# Altium PCB GN-1846-E-V2.PcbDoc (part 2 of 8) (continued)
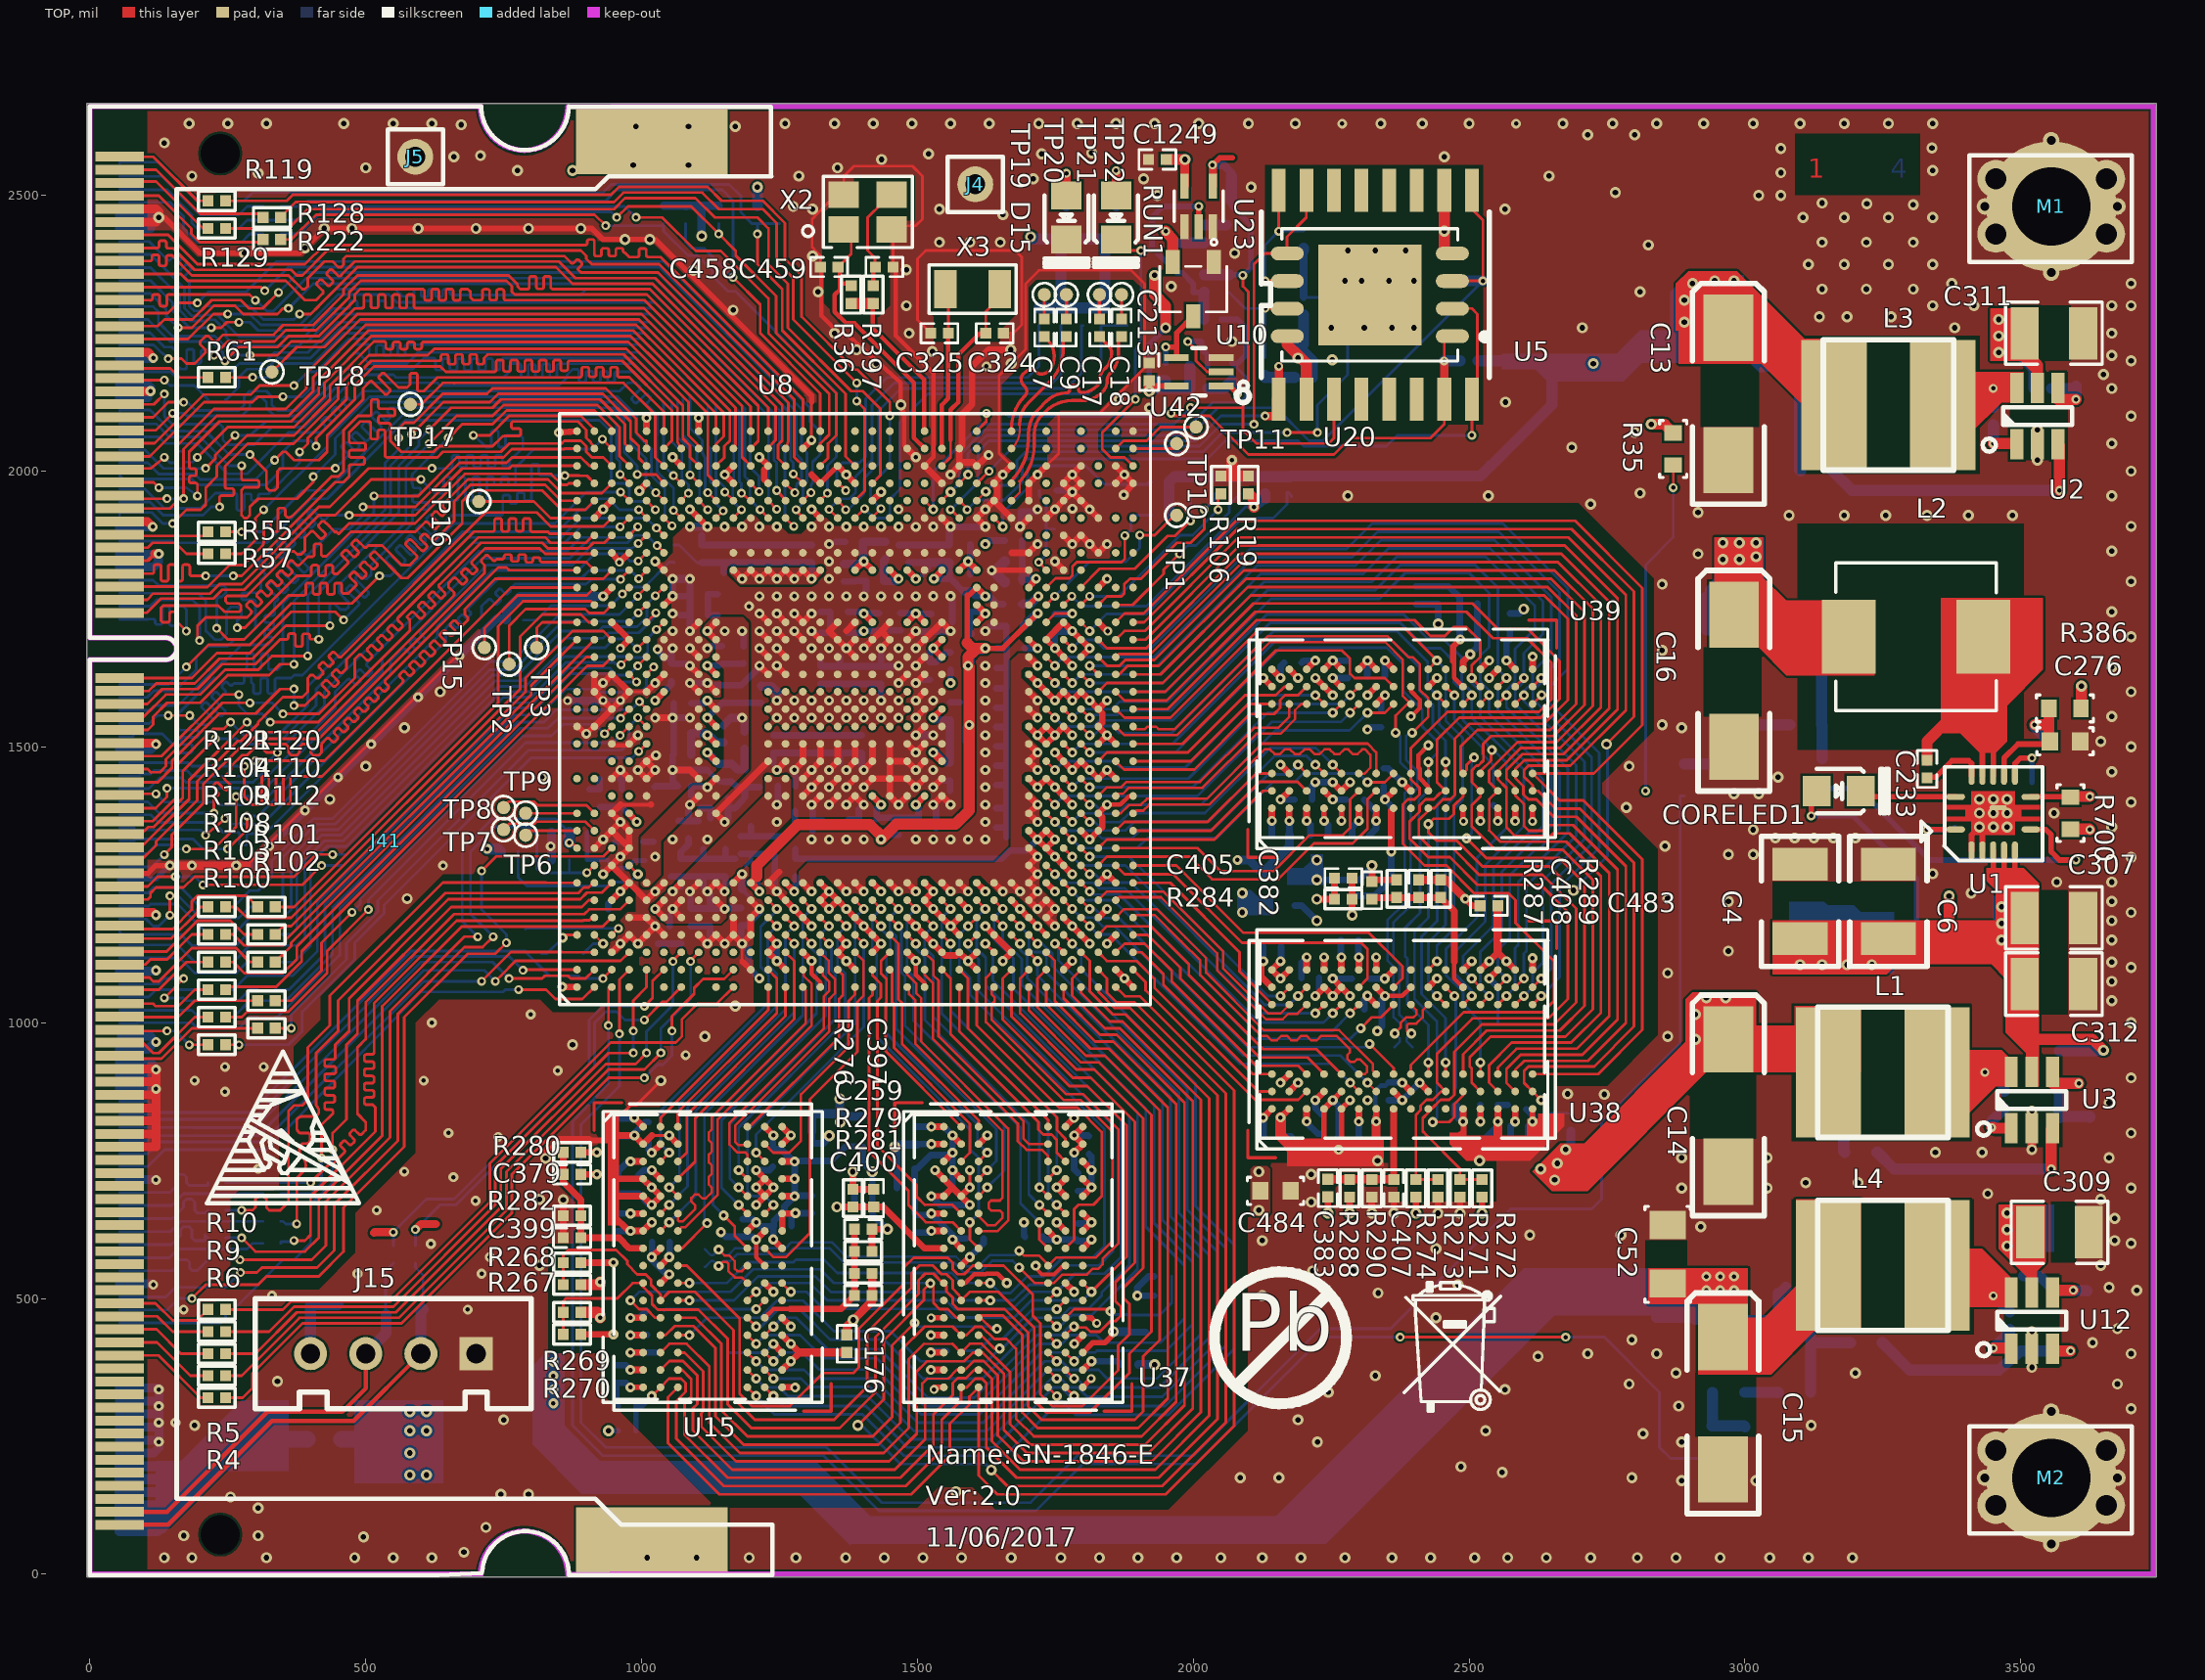
[diagram p0: TOP view]
## Footprints (in the part's own frame and the unit in brackets; to place one, negate y for a bottom-side part, rotate by r counter-clockwise, add the part's x,y. Pads: shape width x height; smd on the part's side, far side on the other; paste and mask are expansions set on the pad) (continued)
SC1210B [mil]
  rect 51x95 smd: 1(-53,0) 2(53,0)
  silkscreen extent -88,-56 88,56
SD0805-LED [mil]
  rect 50x55 smd: 1(-40,0) 2(40,0)
  silkscreen extent -40,-40 90,40
SIP-1P [mil]
  round 65 hole 36: 1(0,0)
  silkscreen extent -50,-50 50,50
SL0402 [mil]
  rect 19x20 smd: 1(15.51,0) 2(-15.49,0)
  silkscreen extent -32,-18 32,18
SOP16-50-300A [mil]
  rect 25x78 smd: 1(175,189.47) 2(125,189.47) 3(75,189.47) 4(25,189.47) 5(-25,189.47) 6(-75,189.47) 7(-125,189.47) 8(-175,189.47) 9(-175,-189.47) 10(-125,-189.47) 11(-75,-189.47) 12(-25,-189.47) 13(25,-189.47) 14(75,-189.47) 15(125,-189.47) 16(175,-189.47)
  silkscreen extent -207,-150 252,196
SOT23-5C [mil]
  rect 12x45 smd: 1(25.59,40.5) 2(0,40.5) 3(-25.59,40.5) 4(-25.59,-40.5) 5(25.59,-40.5)
  silkscreen extent -43,-12 43,89
SOT23-6 [mm]
  rect 0.6x1.4 smd: 1(-0.95,-1.3) 2(0,-1.3) 3(0.95,-1.3) 4(0.95,1.3) 5(0,1.3) 6(-0.95,1.3)
  silkscreen extent -2.52,-1.64 1.59,0.4
SOT23B [mil]
  rect 26x44 smd: 1(37.4,49.24) 2(-37.4,49.24) 3(0,-49.24)
  silkscreen extent -61,-41 61,90
SPL0707G [mil]
  rect 98x134 smd: 1(-121.83,0) 2(121.83,0)
  silkscreen extent -146,-134 146,134
SR0402 [mil]
  rect 20x20 smd: 1(-16,0) 2(16,0)
  silkscreen extent -34,-18 34,18
SR0603 [mil]
  rect 28x32 smd: 1(-29,0) 2(29,0)
  silkscreen extent -52,-25 52,25
TP24-SMD [mil]
  round 24 smd: 1(0,0)
  silkscreen extent -21,-21 21,21
VQFN14 [mm]
  oval 0.85x0.28 smd: 1(-1.725,-0.75) 7(1.725,-0.75) 8(1.725,0.75) 14(-1.725,0.75)
  oval 0.28x0.85 smd: 2(-1,-1.725) 3(-0.5,-1.725) 4(0,-1.725) 5(0.5,-1.725) 6(1,-1.725) 9(1,1.725) 10(0.5,1.725) 11(0,1.725) 12(-0.5,1.725) 13(-1,1.725)
  oval 0.8x0.23 smd: 15(0.225,0.25)
  TOP region: -2.15,0.375 -1,0.375 -1,1 1,1 1,0.375 2.15,0.375 2.15,0.175 1.28,0.175 1.28,-0.175 2.15,-0.175 2.15,-0.375 1,-0.375 1,-1 -1,-1 -1,-0.375 -2.15,-0.375 -2.15,-0.175 -1.28,-0.175 -1.28,0.175 -2.15,0.175 -2.15,0.375
  silkscreen extent -3.31,-2.18 2.27,2.13
WSON8-MX25L12835ZN [mil]
  oval 25x60 smd: 1(75.39,149.61) 2(25.39,149.61) 3(-24.61,149.61) 4(-74.61,149.61) 5(-74.61,-149.61) 6(-24.61,-149.61) 7(25.39,-149.61) 8(75.39,-149.61)
  rect 183x187 smd: 9(0.39,0)
  silkscreen extent -120,-159 120,214

## Via types
v1: diameter 18, hole 8, TOP to BOTTOM, 763 vias
v2: diameter 20, hole 10, TOP to BOTTOM, 451 vias
v3: diameter 16, hole 8, TOP to BOTTOM, 281 vias

## Nets (pads, with @x,y where several pads share a name; then routed paths per layer and width w, separated by ;. In a path a pad name is that pad's centre, name@x,y a point inside that pad or via, vN(x,y) a via of type N, cw(c..) or ccw(c..) an arc to the next point about the centre after c; other vN are vias at no path point)
1V5: C14.1 C43.1 C45.1 C74.1 C100.1 C133.1 C138.1 C140.1 C141.1 C142.1 C147.1 C148.1 C149.1 C152.1 C156.1 C157.1 C159.1 C160.1 C161.1 C163.1 C164.1 C165.1 C166.1 C167.1 C168.1 C169.1 C170.1 C171.1 C172.1 C173.1 C174.1 C176.1 C237.1 C238.1 C239.1 C240.1 C241.1 C242.1 C243.1 C244.1 C245.1 C246.1 C257.1 C258.1 C259.1 C379.1 C380.1 C381.1 C382.1 C383.1 C392.1 C394.1 C401.1 C403.1 C404.1 C411.1 C449.1 C450.1 C478.1 C483.1 C484.1 C485.1 C486.1 C496.1 C525.1 C526.1 C527.1 C564.1 C578.1 C581.1 C582.1 C583.1 C584.1 C586.1 C587.1 C588.1 C589.1 C590.1 C591.1 C592.1 C593.1 C594.1 C595.1 C597.1 C599.1 C1253.1 L1.2 R12.1 R235.1 R236.1 R268.1 R270.1 R272.1 R274.1 R275.1 R277.1 R279.1 R280.1 R283.1 R285.1 R287.1 R288.1 U8.AB7 U8.AC7 U8.AE7 U8.AF7 U8.AG6 U8.AG7 U8.AG8 U8.AG9 U8.AG11 U8.AG12 U8.AG14 U8.AG15 U8.AG17 U8.AG18 U8.AG20 U8.AH5 U8.AH6 U8.P7 U8.T7 U8.U7 U8.W7 U8.Y7 U15.A1 U15.A8 U15.B2 U15.C1 U15.C9 U15.D2 U15.D9 U15.E9 U15.F1 U15.G7 U15.H2 U15.H9 U15.K2 U15.K8 U15.N1 U15.N9 U15.R1 U15.R9 U37.A1 U37.A8 U37.B2 U37.C1 U37.C9 U37.D2 U37.D9 U37.E9 U37.F1 U37.G7 U37.H2 U37.H9 U37.K2 U37.K8 U37.N1 U37.N9 U37.R1 U37.R9 U38.A1 U38.A8 U38.B2 U38.C1 U38.C9 U38.D2 U38.D9 U38.E9 U38.F1 U38.G7 U38.H2 U38.H9 U38.K2 U38.K8 U38.N1 U38.N9 U38.R1 U38.R9 U39.A1 U39.A8 U39.B2 U39.C1 U39.C9 U39.D2 U39.D9 U39.E9 U39.F1 U39.G7 U39.H2 U39.H9 U39.K2 U39.K8 U39.N1 U39.N9 U39.R1 U39.R9 | length 6195.2
  TOP w8: U37.K2@1579.33,527.98 1586.98,527.98 1602.72,543.72 1623.53,543.72 1624.81,545 1638.89,545 1644.96,545.02 v1(1662,527.98) ; U39.K2@2426.02,1420.33 2426.02,1427.78 2410.52,1443.28 2410.52,1460.43 2408,1462.95 2408,1484.84 v1(2426.02,1502.86)
  TOP w12: R270.1@890,435 v1(949,435) ; R268.1@890,565 v1(949,565) ; C379.1@890,725 v1(919,725) ; R280.1@890,765 v1(919,765) ; v1(979.83,370.5) U15.R1@1002.84,370.5 ; v1(979.83,433.5) U15.N1@1002.84,433.49 ; v1(980.09,653.97) U15.F1@1002.84,653.96 ; v1(980.09,748.46) U15.C1@1002.84,748.45 ; v1(986.76,827.53) U15.A1@1002.84,811.44 ; v1(1018.58,575.23) U15.H2@1034.33,590.97 ; v1(1018.59,732.7) U15.D2@1034.33,716.95 ; v1(1018.58,764.21) U15.B2@1034.33,779.94 ; U15.K2@1034.33,527.98 v1(1050.07,543.72) ; U15.G7@1191.81,622.46 v1(1207.57,638.21) ; U15.K8@1223.31,527.98 v1(1239.05,512.23) ; U15.A8@1223.31,811.44 v1(1239.05,795.69) ; v1(1238.82,606.96) U15.H9@1254.8,590.97 ; U15.R9@1254.8,370.5 v1(1270.54,386.23) 1286.26,402.02 v1(1270.53,417.75) U15.N9@1254.8,433.49 ; U15.E9@1254.8,685.46 v1(1277.55,685.45) ; U15.D9@1254.8,716.95 v1(1277.55,716.94) ; U15.C9@1254.8,748.45 v1(1277.55,748.44) ; U8.P7@1292.46,1253.59 v1(1308.2,1237.85) ; U8.T7@1355.45,1253.59 v1(1371.19,1237.85) ; U8.U7@1386.95,1253.59 v1(1402.69,1237.85) ; R279.1@1417.82,585.48 C259.1@1417.82,625.48 v2(1445.62,625.48) ; U8.W7@1449.94,1253.59 v1(1465.68,1237.85) ; U8.Y7@1481.44,1253.59 v1(1497.18,1237.85) ; v1(1524.2,370.51) U37.R1@1547.84,370.5 ; v1(1524.2,433.5) U37.N1@1547.84,433.49 ; v1(1525.09,653.97) U37.F1@1547.84,653.96 ; v1(1525.09,811.45) U37.A1@1547.84,811.44 ; U8.AB7@1544.43,1253.59 v1(1560.17,1237.85) ; U37.C1@1547.84,748.45 v1(1563.58,764.19) ; v1(1563.59,606.72) U37.H2@1579.33,590.97 ; v1(1563.6,732.7) U37.D2@1579.33,716.95 ; v1(1563.59,795.68) U37.B2@1579.33,779.94 ; U8.AC7@1575.93,1253.59 v1(1591.67,1237.85) ; U8.AE7@1638.92,1253.59 v1(1654.66,1237.85) ; U8.AF7@1670.41,1253.59 v1(1686.15,1237.85) ; U8.AG9@1701.91,1316.58 v1(1717.65,1300.84) U8.AG8@1701.91,1285.09 v1(1717.65,1269.34) U8.AG7@1701.91,1253.59 v1(1717.65,1237.85) U8.AG6@1701.91,1222.09 v1(1717.65,1206.35) U8.AH6@1733.41,1222.09 v1(1749.15,1206.35) U8.AH5@1733.41,1190.6 v1(1749.15,1174.86) ; U8.AG12@1701.91,1411.07 v1(1717.65,1395.33) U8.AG11@1701.91,1379.57 v1(1717.65,1363.83) ; U8.AG15@1701.91,1505.56 v1(1717.65,1489.82) U8.AG14@1701.91,1474.06 v1(1717.65,1458.32) ; U8.AG17@1701.91,1568.55 v1(1717.65,1552.81) ; U8.AG18@1701.91,1600.05 v1(1717.67,1584.29) ; U8.AG20@1701.91,1663.04 v1(1717.65,1647.3) ; U37.G7@1736.81,622.46 v1(1752.54,606.72) ; U37.K8@1768.31,527.98 v1(1784.05,512.24) ; U37.A8@1768.31,811.44 v1(1784.05,827.18) ; v1(1784.06,417.75) U37.N9@1799.8,433.49 ; U37.R9@1799.8,370.5 v1(1815.54,386.23) ; U37.H9@1799.8,590.97 v1(1815.54,606.7) ; U37.E9@1799.8,685.46 v1(1815.53,701.2) U37.D9@1799.8,716.95 ; U37.C9@1799.8,748.45 v1(1815.53,732.71) ; v1(2126.47,827.76) U38.A1@2142.56,843.84 ; v1(2126.81,1625.05) U39.A8@2142.56,1609.31 ; v1(2126.83,1111.55) 2123,1107.72 2123,1083.87 U38.A8@2142.56,1064.31 ; v1(2142.55,1366.09) U39.A1@2142.56,1388.84 ; v1(2158.31,1404.59) U39.B2@2174.06,1420.33 ; U38.B2@2174.06,875.33 v1(2189.81,891.06) ; v1(2205.54,821.09) U38.C1@2205.55,843.84 ; U38.C9@2205.55,1095.8 v1(2205.56,1118.55) ; v1(2205.54,1366.09) U39.C1@2205.55,1388.84 ; U39.C9@2205.55,1640.8 v1(2221.29,1656.53) ; v1(2221.3,859.59) U38.D2@2237.05,875.33 ; U38.D9@2237.05,1095.8 v1(2237.06,1118.55) ; U39.D2@2237.05,1420.33 v1(2252.79,1404.58) ; U39.D9@2237.05,1640.8 v1(2252.8,1656.53) U39.E9@2268.54,1640.8 ; v2(2244,655) C383.1@2244,684 ; U38.E9@2268.54,1095.8 v1(2268.55,1118.55) ; v2(2283.52,654.82) R288.1@2283.52,683.82 ; v1(2300.03,821.09) U38.F1@2300.04,843.84 ; v1(2300.03,1366.09) U39.F1@2300.04,1388.84 ; v1(2315.56,1048.8) U38.G7@2331.54,1032.81 ; v2(2324,1285) C382.1@2324,1256 2326.82,1258.82 R287.1@2368.52,1258.82 ; U39.G7@2331.54,1577.81 v1(2347.29,1593.55) ; v1(2347.04,1079.82) U38.H9@2363.03,1095.8 ; v1(2347.28,1404.59) U39.H2@2363.03,1420.33 ; v1(2347.3,1656.54) U39.H9@2363.03,1640.8 ; U38.H2@2363.03,875.33 v1(2378.78,859.57) ; v2(2403.48,654.62) R274.1@2403.48,683.62 ; v1(2410.26,891.09) U38.K2@2426.02,875.33 ; U38.K8@2426.02,1064.31 v1(2441.77,1080.05) ; U39.K8@2426.02,1609.31 v1(2441.77,1625.05) ; v1(2520.5,820.83) U38.N1@2520.51,843.84 ; U38.N9@2520.51,1095.8 v1(2536.25,1111.53) 2551.98,1127.26 v1(2567.77,1111.54) U38.R9@2583.5,1095.8 ; v1(2520.5,1365.83) U39.N1@2520.51,1388.84 ; U39.N9@2520.51,1640.8 v1(2536.25,1656.53) ; v2(2523.48,654.62) R272.1@2523.48,683.62 ; v1(2567.77,1656.54) U39.R9@2583.5,1640.8 ; v1(2583.5,820.83) U38.R1@2583.5,843.84 ; v1(2583.5,1365.83) U39.R1@2583.5,1388.84
  TOP w15: 1286.26,402.02 C176.1@1372,402 ; 2551.98,1127.26 C483.1@2552,1212
  POWER w16: v2(2523.48,654.62) 2523.48,683.48 2525,685
  POWER w20: v2(940,260) 965,260
  BOTTOM w10: v2(940,260) R235.1@958,260
  BOTTOM w12: C152.1@952.62,826.52 985.75,826.52 v1(986.76,827.53) ; C592.1@953.83,653.98 v1(980.09,653.97) ; C147.1@954.83,378.98 971.35,378.98 v1(979.83,370.5) ; C141.1@957.62,722.52 957.62,730.52 975.56,748.46 v1(980.09,748.46) ; v1(979.83,433.5) 980.31,433.98 C148.1@1009.83,433.98 ; C142.1@993.62,722.52 1003.8,732.7 v1(1018.59,732.7) ; C411.1@1013.02,788.02 1013.02,769.77 v1(1018.58,764.21) ; C595.1@1019.02,602.02 v1@1019.02,575.67 ; v1(1050.07,543.72) 1045.27,543.72 v1@1018.6,570.39 ; C149.1@1183.02,644.02 1201.76,644.02 v1(1207.57,638.21) 1214.76,631.02 C593.1@1240.02,631.02 ; v1(1238.82,606.96) 1238.82,629.82 C593.1@1240.02,631.02 ; v1(1239.05,795.69) 1238.02,794.66 C404.1@1238.02,771.02 1252.98,771.02 v1@1275.56,748.44 ; C594.1@1308.82,686.48 1278.58,686.48 v1(1277.55,685.45) ; v2(1445.62,625.48) 1418,653.1 C258.1@1418,665 R275.1@1418,700 v2(1418,730) 1401.02,746.98 C43.1@1401.02,775.52 1369.52,775.52 1343.48,749.48 C403.1@1308.82,749.48 v1@1278.59,749.48 ; C138.1@1498.82,811.48 v1(1525.09,811.45) 1547.82,811.45 v1(1563.59,795.68) v1(1563.58,764.19) ; C140.1@1563.82,701.48 v1(1563.6,732.7) v1(1563.58,764.19) ; C591.1@1588.02,609.02 1565.89,609.02 v1(1563.59,606.72) 1563.59,615.47 v1(1525.09,653.97) 1522.6,651.48 C588.1@1498.82,651.48 1495,655.3 C478.1@1495,700 C496.1@1495,735 1499,735 1524,760 1559.39,760 v1(1563.58,764.19) ; C133.1@1727.02,612.02 1732.32,606.72 v1(1752.54,606.72) 1788.32,606.72 C589.1@1791.02,604.02 1812.86,604.02 v1(1815.54,606.7) ; C100.1@1791.02,695.02 1809.35,695.02 v1(1815.53,701.2) v1(1815.53,732.71) 1815.53,757.51 C401.1@1811.02,762.02 ; v1(1815.54,386.23) 1862.81,386.23 C527.1@1869.02,380.02 ; C257.1@1929.02,505.02 v1(1898.5,505.02) 1898.5,519.5 1919.02,540.02 R277.1@1929.02,540.02 ; v1(2126.47,827.76) 2127.48,826.75 C164.1@2127.48,793.62 ; v1(2126.83,1111.55) 2126.83,1137.83 C161.1@2127,1138 ; C166.1@2142.52,1339.82 v1(2142.55,1366.09) ; v1(2158.31,1404.59) C171.1@2183.48,1404.62 ; C526.1@2196,1081 2196,1108.99 v1(2205.56,1118.55) ; C590.1@2196.48,1652.62 2200.39,1656.53 v1(2221.29,1656.53) ; v1(2205.54,821.09) 2205.54,818.46 2225.38,798.62 C159.1@2231.48,798.62 ; v1(2205.54,1366.09) 2212.52,1359.11 C165.1@2212.52,1339.82 ; v1(2221.3,859.59) 2221.3,844.8 C1253.1@2231.48,834.62 ; v2(2224,1259) R283.1@2289,1259 2300.9,1259 2324,1282.1 v2(2324,1285) ; v1(2252.79,1404.58) v1(2252.79,1404.58) C172.1@2277.48,1404.62 ; v1(2252.8,1656.53) 2280.39,1656.53 C168.1@2280.48,1656.62 ; C160.1@2267.52,1149.82 2267.52,1119.58 v1(2268.55,1118.55) ; C174.1@2288,1340 2288,1354.06 v1(2300.03,1366.09) ; C163.1@2300.02,794.83 v1(2300.03,821.09) ; C157.1@2309.98,1024.02 2309.98,1043.22 v1(2315.56,1048.8) ; C167.1@2319.52,1079.82 v1(2347.04,1079.82) ; C170.1@2340.48,1567.62 2340.48,1586.74 v1(2347.29,1593.55) ; C173.1@2344.98,1429.02 2344.98,1406.89 v1(2347.28,1404.59) 2359,1392.87 C381.1@2359,1371 ; v1(2347.3,1656.54) C169.1@2347.48,1628.62 ; C156.1@2354.48,859.62 v1(2378.78,859.57) v1(2410.26,891.09) ; R285.1@2404,1759 C380.1@2444,1759 v2(2444,1723) ; C599.1@2520.02,850.83 2520.02,821.31 v1(2520.5,820.83) ; v1(2567.77,1656.54) 2567.77,1690.45 2574,1696.68 C525.1@2574,1710 ; C597.1@2575.02,795.83 2575.02,812.35 v1(2583.5,820.83) ; v1@1018.6,570.39 v1(1018.58,575.23) v1@1019.02,575.67 ; v1@1018.6,570.39 1018.98,575.2 v1@1019.02,575.67 ; C593.1@1240.02,631.02 1240.02,641.02 1259,660 1259,666.9 v1(1277.55,685.45) ; v1@1275.56,748.44 v1@1278.59,749.48 ; v1@1275.56,748.44 v1(1277.55,748.44) ; v1(1277.55,685.45) v1(1277.55,716.94) v1(1277.55,748.44) ; v1(1277.55,748.44) v1@1278.59,749.48
  BOTTOM w16: v2(2675,770) 2684.02,779.02 R236.1@2684.02,803.83
  BOTTOM w20: C74.1@2900,936 2904,932 C450.1@2970,932 C449.1@3050,932 3111,932 R12.1@3120,941 ; R12.1@3121,940 R12.1@3120,941 ; C485.1@3134,990 3120,976 R12.1@3120,941
  other v2: 2119,660 2655,715 2119,730 2630,735 2660,745 2910,970 2910,1015 2930,1045 2965,1045 2089,1200 2089,1235 2224,1295
3V3: C3.1 C8.1 C10.1 C11.1 C13.1 C22.1 C23.1 C75.1 C90.1 C91.1 C92.1 C94.1 C112.1 C135.1 C136.1 C143.1 C153.1 C175.1 C198.1 C199.1 C200.1 C204.1 C206.1 C213.1 C287.2 C426.1 C430.1 C431.1 C438.1 C448.1 C452.1 C480.1 C1249.1 C1255.1 J15.4 L3.2 LB1.1 LB2.1 LB4.1 LB5.1 LB9.1 LB11.1 LB12.1 LB24.1 LB28.1 R2.2 R7.2 R26.1 R30.1 R35.1 R37.1 R38.1 R84.1 R94.1 R127.1 R130.1 R221.1 R225.1 R244.1 R245.1 R246.2 R248.1 R316.2 R317.2 R318.2 R319.2 R325.1 R368.2 R370.2 R687.1 R688.2 R691.2 R694.1 R699.1 U5.8 U8.AB25 U8.AD24 U8.AG22 U8.E7 U8.H12 U8.J12 U8.J13 U8.J17 U8.J20 U8.J21 U8.J22 U8.K25 U8.L7 U8.L25 U8.M25 U8.N25 U8.P25 U8.R25 U8.U25 U8.V25 U8.Y25 U20.2 U23.5 U42.5 | length 7855.7
  TOP w10: v1(1182.23,1804.78) U8.L25@1197.97,1820.52 ; v1(1213.73,1804.78) U8.M25@1229.47,1820.52 ; v1(1245.23,1804.78) U8.N25@1260.97,1820.52 ; v1(1276.72,1804.78) U8.P25@1292.46,1820.52 ; v1(1308.22,1804.78) U8.R25@1323.96,1820.52 ; 1590,1688.79 1590,1775 1593.4,1775 U8.AD24@1607.42,1789.02 ; v1(1623.16,1678.79) 1654.67,1678.79 U8.AG22@1701.91,1726.03 1702.03,1726.03 v1(1718,1742) ; C213.1@1920,2154.41 U42.5@1969.5,2154.41
  TOP w12: v1(1087.73,1395.33) U8.H12@1103.49,1411.07 ; v1(1119.22,1426.83) U8.J13@1134.98,1442.57 ; v1(1119.24,1584.31) U8.J17@1134.98,1568.55 ; U8.J21@1134.98,1694.53 v1(1119.24,1710.27) U8.J22@1134.98,1726.03 ; U8.K25@1166.48,1820.52 v1(1182.23,1804.78) ; U8.L25@1197.97,1820.52 v1(1213.73,1804.78) ; U8.M25@1229.47,1820.52 v1(1245.23,1804.78) ; U8.N25@1260.97,1820.52 v1(1276.72,1804.78) ; U8.P25@1292.46,1820.52 v1(1308.22,1804.78) ; U8.U25@1386.95,1820.52 v1(1402.71,1836.26) U8.V25@1418.45,1820.52 ; U8.Y25@1481.44,1820.52 v1(1497.2,1804.76) ; v1(1530,1805) U8.AB25@1544.43,1820.52 ; U8.AD24@1607.42,1789.02 v1(1623.18,1773.26)
  TOP w13: 1209,1264.62 U8.L7@1197.97,1253.59 v1(1213.71,1237.85)
  TOP w16: U23.5@1984.41,2517 1984.41,2564.41 v2(1985,2565)
  TOP w20: 1209,1264.62 1209,1285 1283,1359 1414.18,1359 1434.18,1339 v1(1434.18,1332.34) 1461.84,1360 1569,1360 1594,1385 v1(1594,1540) 1594,1644.96 v1(1591.66,1647.3) 1591.66,1662.66 1603.89,1674.89 ; 1590,1688.79 1603.89,1674.89 ; v1(1623.16,1678.79) 1607.79,1678.79 1603.89,1674.89 ; v2(1920,2145) 1920,2154.41 C213.1@1920,2164 ; v2(1930,2355) 1930,2320 1950,2300 v2(1950,2260) ; C1249.1@1951,2565 v2(1985,2565) ; U5.8@2170.39,2244.61 2170,2244.22 2170,2230 2192.5,2207.5 2205,2195 U20.2@2205,2130.53 ; v2(2830,2085) 2854,2085 R35.1@2870,2069
  POWER w16: v1(1497.2,1804.76) v1@1497.44,1805
  POWER w20: J15.4@400,400 400,570 475,645 475,1050 675,1250 675,1290 700,1315 v1(720,1315) 805,1400 1050,1400 ; v2(2190,2205) 2190,2400
  BOTTOM w5: R368.2@1059,1866 1068,1866 1100,1834 C143.1@1109,1834 ; R37.1@1995,1991 1999,1991 R37.1@2000,1990 ; R38.1@2040,1990 R38.1@2040,1991 ; R94.1@2085,1990 R94.1@2085,1991 ; R699.1@2130,1990 R699.1@2130,1991
  BOTTOM w8: R2.2@901,1345 R688.2@901,1295 938,1295 953,1280 972,1280 986,1294 1007,1294 ; 1509,1812 1521,1824 C438.1@1521,1834
  BOTTOM w10: v2(1920,2145) 1920,2230 v2(1950,2260)
  BOTTOM w12: C91.1@1003,1328 1021.02,1328 ; 1066.98,1366 C11.1@1085,1366 ; 1085,1384.02 C11.1@1085,1366 ; 1090,1410.98 1090,1428.99 C200.1@1097.61,1429 1108.02,1429 ; C23.1@1090,1579.31 1114.24,1579.31 v1(1119.24,1584.31) ; 1103.02,1366 C11.1@1085,1366 ; 1106.98,1389 C198.1@1125,1389 1125,1370.98 ; C143.1@1109,1834 C135.1@1149,1834 ; 1138.02,1739 C426.1@1120,1739 C90.1@1120,1777 1138.02,1777 ; 1149,1815.98 C135.1@1149,1834 ; v1(1182.24,1710.27) 1185,1707.51 LB5.1@1185,1682.51 ; C22.1@1209.5,1266 1209.5,1242.06 v1(1213.71,1237.85) ; 1309,1815.98 C175.1@1309,1834 C199.1@1269,1834 C430.1@1229,1834 C153.1@1189,1834 C135.1@1149,1834 ; v1(1434.18,1332.34) 1442.34,1340.5 LB1.1@1466,1340.49 ; C206.1@1484,1834 C438.1@1521,1834 ; v1(1530,1805) 1560.19,1804.76 ; C204.1@1558,1834 1558,1806.95 1560.19,1804.76 ; 1585,1781.76 1583.19,1781.76 1560.19,1804.76 ; v1(1591.66,1647.3) 1598,1653.64 LB11.1@1598,1673.49 1617.87,1673.5 v1(1623.16,1678.79) ; LB24.1@1596,1781.76 1604.5,1773.26 v1(1623.18,1773.26) 1630.74,1773.26 1645,1759 C10.1@1656,1759 ; v1(1623.17,1867.76) 1629.41,1874 LB12.1@1658.49,1874
  BOTTOM w15: R319.2@1040,2481 R325.1@1080,2481 ; R325.1@1082,2481 1109,2481 ; v2(1109,2426) 1109,2481 ; R221.1@1140,2481 1109,2481 ; LB4.1@1149,1539.51 1162.29,1552.79 v1(1182.24,1552.79) 1187,1548.03 LB9.1@1187,1527.51 ; C136.1@1367,1832 v1@1398.45,1832 ; LB28.1@1442,1871.51 1401.5,1871.5 C92.1@1401,1872 v1@1401,1837.97 ; LB2.1@1589.51,1510 1589.5,1535.5 v1(1594,1540) ; v1@1398.45,1832 v1(1402.71,1836.26) v1@1401,1837.97 ; v1@1398.45,1832 v1@1401,1837.97
  BOTTOM w16: R325.1@1080,2481 R325.1@1082,2481 ; C438.1@1521,1834 C204.1@1558,1834 ; 1585,1781.76 LB24.1@1596,1781.76 ; C94.1@1693,1719 1716,1742 v1(1718,1742)
  BOTTOM w20: J15.4@400,400 400,487.5 C480.1@405,492.5 408.5,489 C448.1@450,489 ; v1(720,1315) 739,1315 R245.1@744,1310 ; R248.1@1210,2481 v2(1210,2515) ; v2(1705,2425) 1705,2421 R26.1@1760,2421 ; R317.2@1720,2296 R316.2@1760,2296 ; R30.1@1860,2421 1840,2421 ; v2(1920,2145) v2@1925,2150 ; R687.1@1950,2164 1935,2164 1935,2160 v2@1925,2150 ; v2(1950,2260) C3.1@1950,2284 ; C8.1@1952.5,2565 v2(1985,2565) ; R244.1@1956,1920 R84.1@1956,1980 1966,1990 2000,1990 2040,1990 2085,1990 2130,1990 2174,1990 R246.2@2175,1991 2520,1991 2539,2010 2540,2010 2650,2120 2650,2196 ; R694.1@1994,2190 R225.1@1994,2150 v2@1925,2150 ; C1255.1@2192.5,2230 C1255.1@2196,2230 ; R691.2@2200,2284 C1255.1@2200,2240 ; R127.1@2216,2170 2216,2200 2200.5,2215.5 2196,2220 C1255.1@2196,2230 ; R130.1@2516,2200 2566,2200 C75.1@2570,2196 2650,2196 ; C287.2@3034,2250 3034,2249 3005,2220 ; R370.2@3041,2190 3011,2220 3005,2220 ; R316.2@1760,2296 R26.1@1760,2421 ; R316.2@1760,2296 R318.2@1800,2296 R7.2@1840,2296 1840,2421 ; R26.1@1760,2421 R26.1@1770,2421 1840,2421 ; C1255.1@2196,2230 2196,2236 C1255.1@2200,2240 ; C1255.1@2196,2230 2200,2230 C1255.1@2200,2240 ; 2650,2196 2724,2196 v2(2725,2195) 2790,2195 2815,2220 2878,2220 C452.1@2880,2222 C112.1@2960,2222 2962,2220 3005,2220
  other v1: 1024.74,1300.85 1150.74,1710.27
  other v2: 2890,2270 2890,2310 2905,2340 2945,2345 2980,2345
12V0: C4.1 C6.1 C109.1 C272.1 C274.1 C283.1 C307.1 C309.1 C311.1 C312.1 C384.1 C511.1 C555.1 F1.2 R43.1 R260.1 R261.1 R386.2 R387.1 U1.4 U1.5 U1.6 U2.5 U3.5 U12.5 | length 1656.2
  TOP w10: U1.4@3450,1312.09 3450,1265 3468.53,1265 ; U1.5@3469.68,1312.09 3469.68,1266.16 3468.53,1265 ; U1.6@3489.37,1312.09 3489.37,1265 3468.53,1265
  TOP w20: C4.1@3100,1152.5 C6.1@3260,1152.5 3465,1152.5 C307.1@3507,1152.5 ; 3370,1183 v2(3370,1230) ; C307.1@3507,1190 C307.1@3507,1152.5 ; C311.1@3507,2250 3507,2215 3530,2192 U2.5@3530,2151.18 ; C309.1@3517,620 3520,620 U12.5@3520,511.18 ; U3.5@3520,911.18 3520,970 ; R386.2@3609,1570 3610,1571 v2(3610,1610) ; v2(3650,950) 3630,970 3520,970 ; C307.1@3507,1152.5 C312.1@3507,1070 3515,1070 3520,1065 3520,970
  BOTTOM w20: R43.1@3369,1180 3369,1229 v2(3370,1230) ; v2(3460,2215) v2(3460,2245) ; C109.1@3502.5,2230 3505,2227.5 3505,2204 3524,2185 R261.1@3524,2150 ; R260.1@3570,949 3649,949 v2(3650,950)
  BOTTOM w30: 456,245 525,245 520,250 F1.2@512.5,250
  other v2: 580,180 610,180 580,220 580,260 610,260 580,295 610,295 3475,595 3475,625 3475,655 3100,1105 3140,1105 3185,1105 3230,1105 3465,1150 3465,1180 3465,1210 3460,2275
12V0IN: F1.1 J41.194 J41.196 J41.198 J41.200 J41.202 J41.204 | length 899.5
  BOTTOM w18: J41.204@54,77.87 122.87,77.87 125,80 ; J41.202@54,101.5 135,101.5 135,125.12 ; J41.200@54,125.12 135,125.12 ; J41.198@54,148.74 145,148.74 ; J41.196@54,172.36 145,172.36 145,148.74 ; J41.194@54,195.98 185,195.98 259.02,270 327.5,270 F1.1@327.5,250 ; 135,125.12 145,125.12 145,148.74
  BOTTOM w30: F1.1@327.5,250 335,250 335,240 340,245 394,245
AVCC11_HDMITX: C194.1 C424.1 LB14.2 U8.J16 | length 131.4
  TOP w12: v1(1119.24,1552.79) U8.J16@1134.98,1537.05
  BOTTOM w12: v1(1119.24,1552.79) C194.1@1146,1580 C424.1@1181,1580 LB14.2@1217,1580.01
AVDD11_PLL: C62.1 LB29.2 U8.V22 | length 84.7
  TOP w12: v1(1402.69,1741.79) U8.V22@1418.45,1726.03
  BOTTOM w12: C62.1@1374,1745 v1@1399.48,1745 ; v1(1402.69,1741.79) v1@1399.48,1745 ; v1(1402.69,1741.79) v1@1403.44,1742.5 ; LB29.2@1430,1742.49 v1@1403.44,1742.5 ; v1@1399.48,1745 v1@1403.44,1742.5
AVDD33_DDRPLL12: C125.1 C395.1 LB1.2 U8.AA12 U8.V12 | length 177.8
  TOP w12: U8.V12@1418.45,1411.07 v1(1434.2,1395.33) ; v1(1497.19,1395.33) U8.AA12@1512.93,1411.07
  BOTTOM w12: v1(1434.2,1395.33) 1426,1387.13 C125.1@1426,1369 1428.5,1371.5 LB1.2@1466,1371.49 1466.5,1371 C395.1@1502,1371 1502,1390.52 v1(1497.19,1395.33)
AVDD33_DDRPLL34: C124.1 C390.1 LB2.2 U8.AB14 U8.AB17 | length 195
  TOP w12: v1(1528.59,1552.81) U8.AB17@1544.43,1568.55
  TOP w14: v1(1528.59,1489.82) U8.AB14@1544.43,1474.06
  BOTTOM w14: v1(1528.59,1489.82) 1534.19,1489.82 1553.01,1471 C124.1@1559,1471 LB2.2@1559,1509.5 ; v1(1528.59,1552.81) 1532.4,1549 C390.1@1559,1549 LB2.2@1559,1510.5 ; LB2.2@1558.51,1510 LB2.2@1559,1510.5 ; LB2.2@1558.51,1510 LB2.2@1559,1509.5 ; LB2.2@1558.51,1510 LB2.2@1559,1510.5 ; LB2.2@1559,1509.5 1559,1510 LB2.2@1559,1510.5
AVDD33_HDMITX: C197.1 C428.1 LB4.2 U8.J15 | length 127.1
  TOP w12: v1(1119.24,1521.3) U8.J15@1134.98,1505.56
  BOTTOM w15: C428.1@1090,1486 C197.1@1090,1525 1115.54,1525 v1(1119.24,1521.3) 1122.7,1521.3 1135.5,1508.5 LB4.2@1149,1508.51
AVDD33_PLL: C61.1 LB28.2 U8.W25 | length 86
  TOP w12: U8.W25@1449.94,1820.52 v1(1465.7,1804.76)
  BOTTOM w15: LB28.2@1442,1840.51 1439,1837.5 C61.1@1439,1801 v1@1461.9,1801
AVDD33_SATA01: C470.1 LB11.2 U8.AD22 U8.AD23 | length 111.3
  TOP w12: U8.AD22@1607.42,1726.03 v1(1623.16,1741.79) U8.AD23@1607.42,1757.53
  BOTTOM w12: LB11.2@1598,1704.49 1595,1707.5 C470.1@1595,1745 v1@1619.95,1745
AVDD33_SATA23: C356.1 LB24.2 U8.AC25 U8.AD25 | length 102.3
  TOP w12: U8.AC25@1575.93,1820.52 v1(1591.68,1836.26) U8.AD25@1607.42,1820.52
  BOTTOM w12: LB24.2@1596,1812.76 1596,1831.94 v1(1591.68,1836.26) 1596,1840.58 C356.1@1596,1867
AVDD33_USB2: C101.1 C468.1 LB9.2 U8.J14 | length 140.3
  TOP w12: v1(1119.24,1489.8) U8.J14@1134.98,1474.06
  BOTTOM w15: v1(1119.24,1489.8) 1140.04,1469 C101.1@1149,1469 1164,1469 1174,1459 C468.1@1187,1459 LB9.2@1187,1496.51
AVDD33_USB3: C5.1 C467.1 LB12.2 U8.AG24 | length 120.9
  TOP w12: U8.AG24@1701.91,1789.02 v1(1715,1805)
  BOTTOM w12: LB12.2@1689.49,1874 1689.5,1836.5 C467.1@1690,1836 1690,1805 C5.1@1690,1799
  BOTTOM w16: C5.1@1690,1805 v1(1715,1805)
AVDD33_VDAC: C427.1 LB5.2 U8.J19 | length 89.3
  TOP w12: v1(1119.24,1647.3) U8.J19@1134.98,1631.54
  BOTTOM w12: v1(1119.24,1647.3) 1140.3,1647.3 C427.1@1146,1651 1184.5,1651 LB5.2@1185,1651.51
AVDD_SATA01: C151.1 LB3.2 U8.AB20 U8.AB21 | length 117.4
  TOP w12: U8.AB20@1544.43,1663.04 v1(1528.67,1678.77) U8.AB21@1544.43,1694.53
  BOTTOM w12: v1(1528.67,1678.77) 1522.2,1672.3 C151.1@1522.2,1653.7 1533.7,1653.7 1551.28,1671.28 LB3.2@1560,1671.27
AVDD_SATA23: C417.1 LB6.2 U8.AA22 U8.Y22 | length 101.1
  TOP w12: U8.Y22@1481.44,1726.03 v1(1497.19,1741.77) U8.AA22@1512.93,1726.03
  BOTTOM w12: LB6.2@1469,1742.49 1496.46,1742.5 v1(1497.19,1741.77) 1497.96,1741 C417.1@1525,1741
DDR0_A0: U8.AE3 U15.N3 U37.N3 | length 1726.3
  TOP w5: U15.N3@1065.83,433.49 v1(1086.84,433.5) ; U37.N3@1610.83,433.49 1615.27,433.49 1639.41,409.35 v1(1649,409.35) ; v1(1623.18,1143.36) U8.AE3@1638.92,1127.61
  BOTTOM w5: v1(1086.84,433.5) 1118.34,465 1214.1,465 1245.12,496.02 1293.02,496.02 1348.56,440.48 1451.52,440.48 1505.8,386.2 1625.85,386.2 v1(1649,409.35) 1653.35,409.35 1709.02,465.02 1759.08,465.03 1768.27,474.22 1777,483 1812,483 1834,505 1834,511 1884,561 1884,830 1637,1077 1637,1129.54 v1(1623.18,1143.36)
DDR0_A1: U8.AG3 U15.P7 U37.P7 | length 1811
  TOP w5: U15.P7@1191.81,401.99 v1(1207.57,386.24) ; U8.AG3@1701.91,1127.61 v1(1717.65,1111.86) ; U37.P7@1736.81,401.99 v1(1752.57,386.24)
  BOTTOM w5: v1(1207.57,386.24) 1223.26,370.55 1245.54,370.55 1294.51,370.53 1310.32,354.72 1420.62,354.72 1500.34,275 1619.44,275 1730.68,386.24 v1(1752.57,386.24) 1760.76,386.24 1776.38,370.62 1777.47,370.62 1790.56,370.53 1828.47,370.53 1843.98,355.02 1934.02,355.02 2014,435 2014,572.44 1944,642.44 1944,859 1717.65,1085.35 v1(1717.65,1111.86)
DDR0_A2: U8.AK2 U15.P3 U37.P3 | length 2305.4
  TOP w4: 1515.87,385 1517.16,386.29 1584.63,386.29
  TOP w5: U15.P3@1065.83,401.99 1078.05,401.99 1111.81,368.23 1111.81,295.81 1108,292 1108,268 1171,205 1449,205 1499,255 1499,303.02 1497.02,305 1497.02,366.17 1515.87,385 ; 1584.63,386.29 1600.33,401.99 U37.P3@1610.83,401.99 1618.47,401.99 1656.81,363.65 1656.81,261.75 1698.56,220 1918.88,220 1999,300.12 1999,858 1867,990 1840.01,990 1780.65,1049.36 1780.65,1080.36 U8.AK2@1796.4,1096.11
DDR0_A3: U8.AH3 U15.N2 U37.N2 | length 2395.6
  TOP w4: 1513.23,449.23 1563.59,449.23
  TOP w5: U15.N2@1034.33,433.49 1043.49,433.49 1060,450 1094.01,450 1133.81,410.2 1133.81,286.19 1185,235 1429,235 1469,275 1469,405 1513.23,449.23 ; 1563.59,449.23 U37.N2@1579.33,433.49 1588.83,433.49 1604.34,449 1616.6,449 1639.27,426.33 1661.48,426.33 1678.81,409 1678.81,282.19 1711,250 1906.44,250 1969,312.56 1969,851.99 1854.99,966 1822.07,966 1749.16,1038.91 1749.16,1111.86 U8.AH3@1733.41,1127.61
DDR0_A4: U8.AF4 U15.P8 U37.P8 | length 1780.2
  TOP w5: U15.P8@1223.31,401.99 v1(1239.05,386.25) ; U8.AF4@1670.41,1159.1 v1(1686.15,1143.36) ; U37.P8@1768.31,401.99 v1(1784.05,386.25)
  BOTTOM w5: v1(1239.05,386.25) 1254.8,402 1291.04,402 1322.02,371.02 1425.54,371.02 1506.56,290 1613.14,290 1725.18,402.04 1768.26,402.04 v1(1784.05,386.25) 1799.83,402.03 1822.05,402.03 1825.02,405 1951,405 1999,453 1999,566.22 1929,636.22 1929,851 1699,1081 1699,1120 1686.15,1132.85 v1(1686.15,1143.36)
DDR0_A5: U8.AJ1 U15.P2 U37.P2 | length 2293.6
  TOP w4: 1511.79,417.78 1563.54,417.78
  TOP w5: U15.P2@1034.33,401.99 1050.32,417.98 1081.83,417.98 1122.81,377 1122.81,275.19 1178,220 1439,220 1484,265 1484,389.99 1511.79,417.78 ; 1563.54,417.78 U37.P2@1579.33,401.99 1595.32,417.98 1616.63,417.98 1667.81,366.8 1667.81,271.97 1704.78,235 1912.66,235 1984,306.34 1984,855.01 1861.01,978 1831.29,978 1764.9,1044.39 U8.AJ1@1764.9,1064.61